# KiCad board FrontEnd_5G.kicad_pcb (continued)
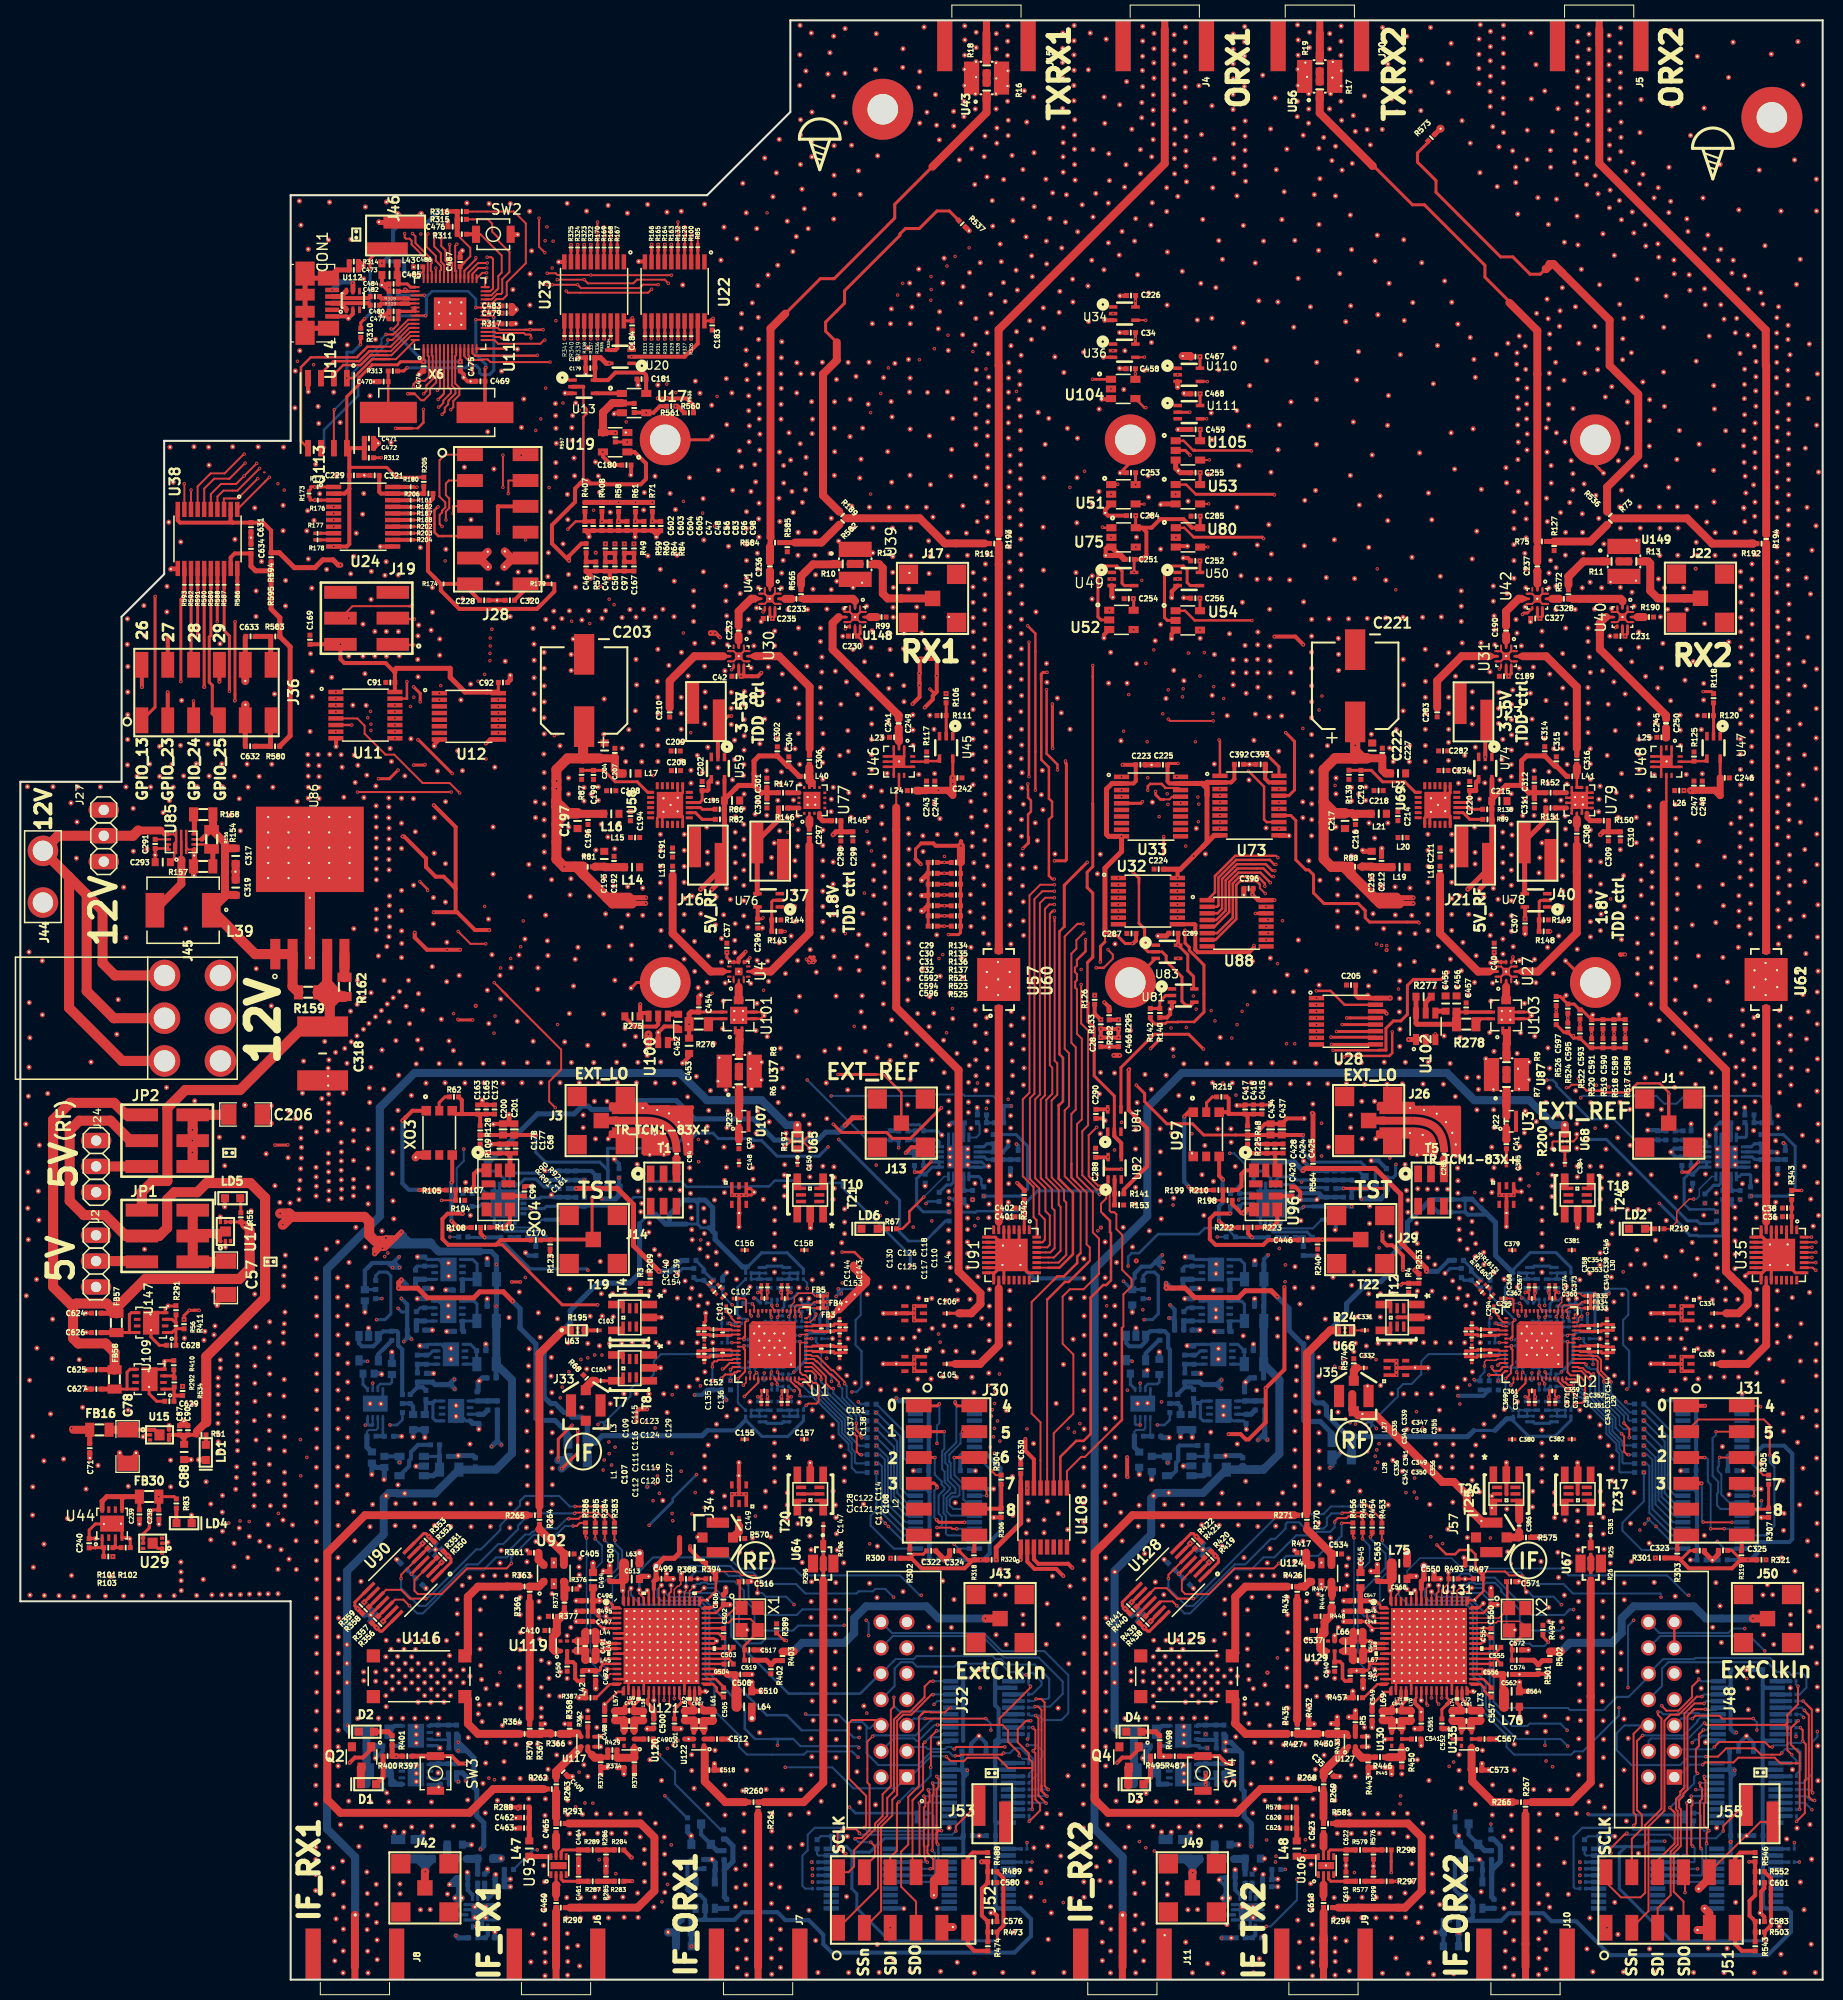
[diagram p0: board, top side]
## Placement (name value [footprint] x y rotation side) (continued)
GND_VIA#193  VAL**  [GND_VIA#3]  129.33 111.16 90 top
GND_VIA#194  VAL**  [GND_VIA#3]  126.08 114.21 90 top
GND_VIA#195  VAL**  [GND_VIA#3]  126.06 115.77 90 top
GND_VIA#196  VAL**  [GND_VIA#3]  126.94 112.43 90 top
GND_VIA#197  VAL**  [GND_VIA#3]  126.94 114.02 90 top
GND_VIA#198  VAL**  [GND_VIA#3]  126.94 115.56 90 top
GND_VIA#199  VAL**  [GND_VIA#3]  126.95 117.07 90 top
GND_VIA#200  VAL**  [GND_VIA#3]  126.94 118.72 90 top
GND_VIA#201  VAL**  [GND_VIA#3]  126.94 120.3 90 top
GND_VIA#202  VAL**  [GND_VIA#3]  132.81 108.27 90 top
GND_VIA#203  VAL**  [GND_VIA#3]  134.02 103.31 90 top
GND_VIA#204  VAL**  [GND_VIA#3]  136.6 107.3 90 top
GND_VIA#205  VAL**  [GND_VIA#3]  136.78 104.6 90 top
GND_VIA#206  VAL**  [GND_VIA#3]  139.38 101.54 90 top
GND_VIA#207  VAL**  [GND_VIA#3]  131.43 103.34 90 top
GND_VIA#208  VAL**  [GND_VIA#3]  131.43 104.92 90 top
GND_VIA#209  VAL**  [GND_VIA#3]  131.43 106.5 90 top
GND_VIA#210  VAL**  [GND_VIA#3]  129.5 106.61 90 top
GND_VIA#211  VAL**  [GND_VIA#3]  129.49 105.03 90 top
GND_VIA#212  VAL**  [GND_VIA#3]  129.49 103.47 90 top
GND_VIA#213  VAL**  [GND_VIA#3]  55.42 117.16 90 top
GND_VIA#214  VAL**  [GND_VIA#3]  56.11 116.52 90 top
GND_VIA#215  VAL**  [GND_VIA#3]  56.81 117.23 90 top
GND_VIA#216  VAL**  [GND_VIA#3]  56.81 115.91 90 top
GND_VIA#217  VAL**  [GND_VIA#3]  55.41 115.84 90 top
GND_VIA#218  VAL**  [GND_VIA#3]  53.91 113.3 90 top
GND_VIA#219  VAL**  [GND_VIA#3]  53.89 111.15 90 top
GND_VIA#220  VAL**  [GND_VIA#3]  51.5 109.28 90 top
GND_VIA#221  VAL**  [GND_VIA#3]  51.5 110.83 90 top
GND_VIA#222  VAL**  [GND_VIA#3]  51.49 112.43 90 top
GND_VIA#223  VAL**  [GND_VIA#3]  51.49 114 90 top
GND_VIA#224  VAL**  [GND_VIA#3]  51.49 115.58 90 top
GND_VIA#225  VAL**  [GND_VIA#3]  51.49 117.14 90 top
GND_VIA#226  VAL**  [GND_VIA#3]  51.49 118.65 90 top
GND_VIA#227  VAL**  [GND_VIA#3]  51.46 120.46 90 top
GND_VIA#228  VAL**  [GND_VIA#3]  53.89 116.53 90 top
GND_VIA#229  VAL**  [GND_VIA#3]  53.89 118.11 90 top
GND_VIA#230  VAL**  [GND_VIA#3]  57.35 122.41 90 top
GND_VIA#231  VAL**  [GND_VIA#3]  62.67 119.73 90 top
GND_VIA#232  VAL**  [GND_VIA#3]  62.67 121.31 90 top
GND_VIA#233  VAL**  [GND_VIA#3]  62.67 122.88 90 top
GND_VIA#234  VAL**  [GND_VIA#3]  62.68 124.46 90 top
GND_VIA#235  VAL**  [GND_VIA#3]  62.68 126.04 90 top
GND_VIA#236  VAL**  [GND_VIA#3]  60.58 127.26 90 top
GND_VIA#237  VAL**  [GND_VIA#3]  57.39 125.88 90 top
GND_VIA#238  VAL**  [GND_VIA#3]  63.22 116.11 90 top
GND_VIA#239  VAL**  [GND_VIA#3]  63.22 114.79 90 top
GND_VIA#240  VAL**  [GND_VIA#3]  63.92 115.46 90 top
GND_VIA#241  VAL**  [GND_VIA#3]  64.61 114.83 90 top
GND_VIA#242  VAL**  [GND_VIA#3]  64.96 119.83 90 top
GND_VIA#243  VAL**  [GND_VIA#3]  65.92 118.87 90 top
GND_VIA#244  VAL**  [GND_VIA#3]  65.93 117.6 90 top
GND_VIA#245  VAL**  [GND_VIA#3]  67.05 118.66 90 top
GND_VIA#246  VAL**  [GND_VIA#3]  68.59 119.13 90 top
GND_VIA#247  VAL**  [GND_VIA#3]  64.96 121.62 90 top
GND_VIA#248  VAL**  [GND_VIA#3]  64.96 122.9 90 top
GND_VIA#249  VAL**  [GND_VIA#3]  64.96 124.46 90 top
GND_VIA#250  VAL**  [GND_VIA#3]  64.96 126.04 90 top
GND_VIA#251  VAL**  [GND_VIA#3]  62.92 112.57 90 top
GND_VIA#252  VAL**  [GND_VIA#3]  62.93 110.99 90 top
GND_VIA#253  VAL**  [GND_VIA#3]  62.93 109.43 90 top
GND_VIA#254  VAL**  [GND_VIA#3]  65.26 109.42 90 top
GND_VIA#255  VAL**  [GND_VIA#3]  65.26 111 90 top
GND_VIA#256  VAL**  [GND_VIA#3]  65.27 112.57 90 top
GND_VIA#257  VAL**  [GND_VIA#3]  68.06 115.97 90 top
GND_VIA#258  VAL**  [GND_VIA#3]  152.84 116.23 90 top
GND_VIA#259  VAL**  [GND_VIA#3]  152.86 115.49 90 top
GND_VIA#260  VAL**  [GND_VIA#3]  148.81 118.84 90 top
GND_VIA#261  VAL**  [GND_VIA#3]  150.16 117.59 90 top
GND_VIA#262  VAL**  [GND_VIA#3]  150.27 118.73 90 top
GND_VIA#263  VAL**  [GND_VIA#3]  149.92 115.9 90 top
GND_VIA#264  VAL**  [GND_VIA#3]  151.44 115.93 90 top
GND_VIA#265  VAL**  [GND_VIA#3]  148.81 114.43 90 top
GND_VIA#266  VAL**  [GND_VIA#3]  129.56 131.84 90 top
GND_VIA#267  VAL**  [GND_VIA#3]  129.59 128.69 90 top
GND_VIA#268  VAL**  [GND_VIA#3]  129.59 130.27 90 top
GND_VIA#269  VAL**  [GND_VIA#3]  143.44 116.04 90 top
GND_VIA#270  VAL**  [GND_VIA#3]  146.58 103.06 90 top
GND_VIA#271  VAL**  [GND_VIA#3]  146.56 104.56 90 top
GND_VIA#272  VAL**  [GND_VIA#3]  146.56 106.06 90 top
GND_VIA#273  VAL**  [GND_VIA#3]  146.56 107.56 90 top
GND_VIA#274  VAL**  [GND_VIA#3]  146.56 109.06 90 top
GND_VIA#275  VAL**  [GND_VIA#3]  146.58 110.56 90 top
GND_VIA#276  VAL**  [GND_VIA#3]  146.64 112.49 90 top
GND_VIA#277  VAL**  [GND_VIA#3]  146.56 113.56 90 top
GND_VIA#278  VAL**  [GND_VIA#3]  146.58 115.06 90 top
GND_VIA#279  VAL**  [GND_VIA#3]  146.56 116.56 90 top
GND_VIA#280  VAL**  [GND_VIA#3]  146.57 118.25 90 top
GND_VIA#281  VAL**  [GND_VIA#3]  147.69 114.41 90 top
GND_VIA#282  VAL**  [GND_VIA#3]  145.74 114.3 90 top
GND_VIA#283  VAL**  [GND_VIA#3]  145.72 112.78 90 top
GND_VIA#284  VAL**  [GND_VIA#3]  145.72 111.3 90 top
GND_VIA#285  VAL**  [GND_VIA#3]  145.74 109.78 90 top
GND_VIA#286  VAL**  [GND_VIA#3]  145.72 108.28 90 top
GND_VIA#287  VAL**  [GND_VIA#3]  145.26 106.19 90 top
GND_VIA#288  VAL**  [GND_VIA#3]  145.72 103.8 90 top
GND_VIA#289  VAL**  [GND_VIA#3]  145.74 102.28 90 top
GND_VIA#290  VAL**  [GND_VIA#3]  146.7 126.75 90 top
GND_VIA#291  VAL**  [GND_VIA#3]  146.59 125.34 90 top
GND_VIA#292  VAL**  [GND_VIA#3]  146.59 123.84 90 top
GND_VIA#293  VAL**  [GND_VIA#3]  146.59 122.34 90 top
GND_VIA#294  VAL**  [GND_VIA#3]  146.59 120.86 90 top
GND_VIA#295  VAL**  [GND_VIA#3]  146.57 119.43 90 top
GND_VIA#296  VAL**  [GND_VIA#3]  145.45 117.93 270 top
GND_VIA#297  VAL**  [GND_VIA#3]  145.65 119.93 270 top
GND_VIA#298  VAL**  [GND_VIA#3]  145.73 121.9 270 top
GND_VIA#299  VAL**  [GND_VIA#3]  170.22 118.2 90 top
GND_VIA#300  VAL**  [GND_VIA#3]  170.21 119.7 90 top
GND_VIA#301  VAL**  [GND_VIA#3]  170.19 121.2 90 top
GND_VIA#302  VAL**  [GND_VIA#3]  170.22 122.7 90 top
GND_VIA#303  VAL**  [GND_VIA#3]  170.21 124.21 90 top
GND_VIA#304  VAL**  [GND_VIA#3]  170.17 116.53 90 top
GND_VIA#305  VAL**  [GND_VIA#3]  160.15 115.31 90 top
GND_VIA#306  VAL**  [GND_VIA#3]  151.96 125.4 90 top
GND_VIA#307  VAL**  [GND_VIA#3]  151.62 126.95 90 top
GND_VIA#308  VAL**  [GND_VIA#3]  169.05 115.78 90 top
GND_VIA#309  VAL**  [GND_VIA#3]  169.09 123.46 90 top
GND_VIA#310  VAL**  [GND_VIA#3]  169.09 121.95 90 top
GND_VIA#311  VAL**  [GND_VIA#3]  169.08 120.45 90 top
GND_VIA#312  VAL**  [GND_VIA#3]  169.09 118.95 90 top
GND_VIA#313  VAL**  [GND_VIA#3]  169.09 117.45 90 top
GND_VIA#314  VAL**  [GND_VIA#3]  169.11 126.34 90 top
GND_VIA#315  VAL**  [GND_VIA#3]  169.09 124.84 90 top
GND_VIA#316  VAL**  [GND_VIA#3]  154.25 130 90 top
GND_VIA#317  VAL**  [GND_VIA#3]  155.53 128.66 90 top
GND_VIA#318  VAL**  [GND_VIA#3]  156.65 127.56 90 top
GND_VIA#319  VAL**  [GND_VIA#3]  157.75 126.37 90 top
GND_VIA#320  VAL**  [GND_VIA#3]  163.77 118.46 90 top
GND_VIA#321  VAL**  [GND_VIA#3]  165.34 118.53 90 top
GND_VIA#322  VAL**  [GND_VIA#3]  158.41 129.53 90 top
GND_VIA#323  VAL**  [GND_VIA#3]  157.3 130.73 90 top
GND_VIA#324  VAL**  [GND_VIA#3]  159.77 128.09 90 top
GND_VIA#325  VAL**  [GND_VIA#3]  152.75 129.08 90 top
GND_VIA#326  VAL**  [GND_VIA#3]  151.62 130.34 90 top
GND_VIA#327  VAL**  [GND_VIA#3]  150.34 128.32 90 top
GND_VIA#328  VAL**  [GND_VIA#3]  148.73 129.01 90 top
GND_VIA#329  VAL**  [GND_VIA#3]  160.22 122.08 90 top
GND_VIA#330  VAL**  [GND_VIA#3]  165.25 122.87 90 top
GND_VIA#331  VAL**  [GND_VIA#3]  149.98 125.73 90 top
GND_VIA#332  VAL**  [GND_VIA#3]  140.41 130.42 90 top
GND_VIA#333  VAL**  [GND_VIA#3]  141.74 131.39 90 top
GND_VIA#334  VAL**  [GND_VIA#3]  143.59 131.4 90 top
GND_VIA#335  VAL**  [GND_VIA#3]  141.08 128.11 90 top
GND_VIA#336  VAL**  [GND_VIA#3]  142.74 129.06 90 top
GND_VIA#337  VAL**  [GND_VIA#3]  136.53 119.71 90 top
GND_VIA#338  VAL**  [GND_VIA#3]  134.96 119.72 90 top
GND_VIA#339  VAL**  [GND_VIA#3]  134.6 121.06 90 top
GND_VIA#340  VAL**  [GND_VIA#3]  135.27 122.86 90 top
GND_VIA#341  VAL**  [GND_VIA#3]  164.86 124.25 90 top
GND_VIA#342  VAL**  [GND_VIA#3]  159.09 132.46 90 top
GND_VIA#343  VAL**  [GND_VIA#3]  159.09 130.96 90 top
GND_VIA#344  VAL**  [GND_VIA#3]  159.12 124.93 90 top
GND_VIA#345  VAL**  [GND_VIA#3]  159.12 123.42 90 top
GND_VIA#346  VAL**  [GND_VIA#3]  159.11 121.92 90 top
GND_VIA#347  VAL**  [GND_VIA#3]  159.12 120.42 90 top
GND_VIA#348  VAL**  [GND_VIA#3]  159.12 118.92 90 top
GND_VIA#349  VAL**  [GND_VIA#3]  170.22 125.59 90 top
GND_VIA#350  VAL**  [GND_VIA#3]  170.22 127.09 90 top
GND_VIA#351  VAL**  [GND_VIA#3]  163.19 121.31 90 top
GND_VIA#352  VAL**  [GND_VIA#3]  163.18 122.81 90 top
GND_VIA#353  VAL**  [GND_VIA#3]  163.17 124.31 90 top
GND_VIA#354  VAL**  [GND_VIA#3]  160.97 126.97 90 top
GND_VIA#355  VAL**  [GND_VIA#3]  162.22 125.71 90 top
GND_VIA#356  VAL**  [GND_VIA#3]  145.75 100.81 90 top
GND_VIA#357  VAL**  [GND_VIA#3]  146.75 101.53 90 top
GND_VIA#358  VAL**  [GND_VIA#3]  149.56 131.11 90 top
GND_VIA#359  VAL**  [GND_VIA#3]  147.56 131.09 90 top
GND_VIA#360  VAL**  [GND_VIA#3]  147.34 128.92 90 top
GND_VIA#361  VAL**  [GND_VIA#3]  152.03 117.52 90 top
GND_VIA#362  VAL**  [GND_VIA#3]  155.15 114.8 90 top
GND_VIA#363  VAL**  [GND_VIA#3]  155.18 116.02 90 top
GND_VIA#364  VAL**  [GND_VIA#3]  155.28 117.31 90 top
GND_VIA#365  VAL**  [GND_VIA#3]  150.14 112.91 90 top
GND_VIA#366  VAL**  [GND_VIA#3]  147.91 115.87 90 top
GND_VIA#367  VAL**  [GND_VIA#3]  147.93 134.93 90 top
GND_VIA#368  VAL**  [GND_VIA#3]  147.03 133.69 90 top
GND_VIA#369  VAL**  [GND_VIA#3]  144.94 131.21 90 top
GND_VIA#370  VAL**  [GND_VIA#3]  144.93 132.68 90 top
GND_VIA#371  VAL**  [GND_VIA#3]  144.88 134.05 90 top
GND_VIA#372  VAL**  [GND_VIA#3]  133.84 111.2 90 top
GND_VIA#373  VAL**  [GND_VIA#3]  131.24 112.87 90 top
GND_VIA#374  VAL**  [GND_VIA#3]  131.94 111 90 top
GND_VIA#375  VAL**  [GND_VIA#3]  134.43 113.69 90 top
GND_VIA#376  VAL**  [GND_VIA#3]  132.58 113.69 90 top
GND_VIA#377  VAL**  [GND_VIA#3]  130.87 110.46 90 top
GND_VIA#378  VAL**  [GND_VIA#3]  133.77 107.48 90 top
GND_VIA#379  VAL**  [GND_VIA#3]  135.14 107.41 90 top
GND_VIA#380  VAL**  [GND_VIA#3]  135.17 104.65 90 top
GND_VIA#381  VAL**  [GND_VIA#3]  132.97 104.77 90 top
GND_VIA#382  VAL**  [GND_VIA#3]  129.5 108.18 90 top
GND_VIA#383  VAL**  [GND_VIA#3]  127.75 108.06 90 top
GND_VIA#384  VAL**  [GND_VIA#3]  128.49 121.28 90 top
GND_VIA#385  VAL**  [GND_VIA#3]  143.03 121.14 90 top
GND_VIA#386  VAL**  [GND_VIA#3]  144 119.12 90 top
GND_VIA#387  VAL**  [GND_VIA#3]  152.06 119.45 90 top
GND_VIA#388  VAL**  [GND_VIA#3]  165.3 115.65 90 top
GND_VIA#389  VAL**  [GND_VIA#3]  162.68 115.51 90 top
GND_VIA#390  VAL**  [GND_VIA#3]  156.78 122.77 90 top
GND_VIA#391  VAL**  [GND_VIA#3]  157.41 118.55 90 top
GND_VIA#392  VAL**  [GND_VIA#3]  156 120.33 90 top
GND_VIA#393  VAL**  [GND_VIA#3]  156.09 125.36 90 top
GND_VIA#394  VAL**  [GND_VIA#3]  156.89 116.68 90 top
GND_VIA#395  VAL**  [GND_VIA#3]  158.4 116.31 90 top
GND_VIA#396  VAL**  [GND_VIA#3]  156.42 134.77 90 top
GND_VIA#397  VAL**  [GND_VIA#3]  157.5 133.95 90 top
GND_VIA#398  VAL**  [GND_VIA#3]  154.74 134.72 90 top
GND_VIA#399  VAL**  [GND_VIA#3]  155.44 136.81 90 top
GND_VIA#400  VAL**  [GND_VIA#3]  153.53 136.81 90 top
GND_VIA#401  VAL**  [GND_VIA#3]  150.95 136.96 90 top
GND_VIA#402  VAL**  [GND_VIA#3]  158.62 134.99 90 top
GND_VIA#403  VAL**  [GND_VIA#3]  150.25 136.79 90 top
GND_VIA#404  VAL**  [GND_VIA#3]  149.12 135.73 90 top
GND_VIA#405  VAL**  [GND_VIA#3]  146.15 136.25 90 top
GND_VIA#406  VAL**  [GND_VIA#3]  147.99 136.81 90 top
GND_VIA#407  VAL**  [GND_VIA#3]  147.9 140.19 90 top
GND_VIA#408  VAL**  [GND_VIA#3]  150.27 138.26 90 top
GND_VIA#409  VAL**  [GND_VIA#3]  148.03 141.71 90 top
GND_VIA#410  VAL**  [GND_VIA#3]  148.03 143.57 90 top
GND_VIA#411  VAL**  [GND_VIA#3]  150.11 143.31 90 top
GND_VIA#412  VAL**  [GND_VIA#3]  148.06 145.12 90 top
GND_VIA#413  VAL**  [GND_VIA#3]  170.49 143.83 90 top
GND_VIA#414  VAL**  [GND_VIA#3]  151.88 140.01 90 top
GND_VIA#415  VAL**  [GND_VIA#3]  153.62 140.22 90 top
GND_VIA#416  VAL**  [GND_VIA#3]  161.16 139.98 90 top
GND_VIA#417  VAL**  [GND_VIA#3]  170.53 140.07 90 top
GND_VIA#418  VAL**  [GND_VIA#3]  168.54 140 90 top
GND_VIA#419  VAL**  [GND_VIA#3]  166.59 139.99 90 top
GND_VIA#420  VAL**  [GND_VIA#3]  164.82 139.99 90 top
GND_VIA#421  VAL**  [GND_VIA#3]  162.93 140 90 top
GND_VIA#422  VAL**  [GND_VIA#3]  165.78 143.26 90 top
GND_VIA#423  VAL**  [GND_VIA#3]  168.56 142.24 90 top
GND_VIA#424  VAL**  [GND_VIA#3]  170.55 142.31 90 top
GND_VIA#425  VAL**  [GND_VIA#3]  140.36 188.33 90 top
GND_VIA#426  VAL**  [GND_VIA#3]  153.57 142.25 90 top
GND_VIA#427  VAL**  [GND_VIA#3]  151.9 142.25 90 top
GND_VIA#428  VAL**  [GND_VIA#3]  151.41 144.2 90 top
GND_VIA#429  VAL**  [GND_VIA#3]  152.31 145.19 90 top
GND_VIA#430  VAL**  [GND_VIA#3]  152.61 146.43 90 top
GND_VIA#431  VAL**  [GND_VIA#3]  152.62 148.02 90 top
GND_VIA#432  VAL**  [GND_VIA#3]  152.45 149.3 90 top
GND_VIA#433  VAL**  [GND_VIA#3]  151.84 151.14 90 top
GND_VIA#434  VAL**  [GND_VIA#3]  151 152.04 90 top
GND_VIA#435  VAL**  [GND_VIA#3]  150.01 152.53 90 top
GND_VIA#436  VAL**  [GND_VIA#3]  148.07 153.41 90 top
GND_VIA#437  VAL**  [GND_VIA#3]  148.13 151.92 90 top
GND_VIA#438  VAL**  [GND_VIA#3]  148.11 150.35 90 top
GND_VIA#439  VAL**  [GND_VIA#3]  148.07 154.87 90 top
GND_VIA#440  VAL**  [GND_VIA#3]  148.09 156.44 90 top
GND_VIA#441  VAL**  [GND_VIA#3]  147.98 158.27 90 top
GND_VIA#442  VAL**  [GND_VIA#3]  150.31 157.9 90 top
GND_VIA#443  VAL**  [GND_VIA#3]  150.24 156.41 90 top
GND_VIA#444  VAL**  [GND_VIA#3]  150.22 154.84 90 top
GND_VIA#445  VAL**  [GND_VIA#3]  150.22 153.38 90 top
GND_VIA#446  VAL**  [GND_VIA#3]  150.03 145.61 90 top
GND_VIA#447  VAL**  [GND_VIA#3]  150.48 148.82 90 top
GND_VIA#448  VAL**  [GND_VIA#3]  150.08 150.14 90 top
GND_VIA#449  VAL**  [GND_VIA#3]  150.49 147.1 90 top
GND_VIA#450  VAL**  [GND_VIA#3]  146.1 147.12 90 top
GND_VIA#451  VAL**  [GND_VIA#3]  146.04 148.61 90 top
GND_VIA#452  VAL**  [GND_VIA#3]  147.26 146.26 90 top
GND_VIA#453  VAL**  [GND_VIA#3]  147.21 149.41 90 top
GND_VIA#454  VAL**  [GND_VIA#3]  152.84 134.68 90 top
GND_VIA#455  VAL**  [GND_VIA#3]  157.28 136.85 90 top
GND_VIA#456  VAL**  [GND_VIA#3]  160.75 123.59 90 top
GND_VIA#457  VAL**  [GND_VIA#3]  160.62 118.42 90 top
GND_VIA#458  VAL**  [GND_VIA#3]  161.83 119.74 90 top
GND_VIA#459  VAL**  [GND_VIA#3]  146.06 130.09 90 top
GND_VIA#460  VAL**  [GND_VIA#3]  142.38 104.71 90 top
GND_VIA#461  VAL**  [GND_VIA#3]  144.58 104.67 90 top
GND_VIA#462  VAL**  [GND_VIA#3]  147.92 102.8 90 top
GND_VIA#463  VAL**  [GND_VIA#3]  144.49 102.64 90 top
GND_VIA#464  VAL**  [GND_VIA#3]  146.06 99.09 90 top
GND_VIA#465  VAL**  [GND_VIA#3]  170.43 97.53 90 top
GND_VIA#466  VAL**  [GND_VIA#3]  170.47 99.21 90 top
GND_VIA#467  VAL**  [GND_VIA#3]  171.56 99.93 90 top
GND_VIA#468  VAL**  [GND_VIA#3]  171.56 98.31 90 top
GND_VIA#469  VAL**  [GND_VIA#3]  172.71 97.56 90 top
GND_VIA#470  VAL**  [GND_VIA#3]  171.56 96.78 90 top
GND_VIA#471  VAL**  [GND_VIA#3]  172.69 99.22 90 top
GND_VIA#472  VAL**  [GND_VIA#3]  132.81 122.41 90 top
GND_VIA#473  VAL**  [GND_VIA#3]  148.85 100.28 90 top
GND_VIA#474  VAL**  [GND_VIA#3]  147.37 100.17 90 top
GND_VIA#475  VAL**  [GND_VIA#3]  147.14 97.98 90 top
GND_VIA#476  VAL**  [GND_VIA#3]  148.98 97.99 90 top
GND_VIA#477  VAL**  [GND_VIA#3]  150.69 98.91 90 top
GND_VIA#478  VAL**  [GND_VIA#3]  151.9 100.14 90 top
GND_VIA#479  VAL**  [GND_VIA#3]  153.05 101.28 90 top
GND_VIA#480  VAL**  [GND_VIA#3]  144.74 97.96 90 top
GND_VIA#481  VAL**  [GND_VIA#3]  144.55 99.94 90 top
GND_VIA#482  VAL**  [GND_VIA#3]  140.14 97.53 90 top
GND_VIA#483  VAL**  [GND_VIA#3]  141.19 97.53 90 top
GND_VIA#484  VAL**  [GND_VIA#3]  142.3 96.75 90 top
GND_VIA#485  VAL**  [GND_VIA#3]  145.63 95.2 90 top
GND_VIA#486  VAL**  [GND_VIA#3]  146.47 95.21 90 top
GND_VIA#487  VAL**  [GND_VIA#3]  146.47 94.36 90 top
GND_VIA#488  VAL**  [GND_VIA#3]  145.62 94.35 90 top
GND_VIA#489  VAL**  [GND_VIA#3]  147.86 95.96 90 top
GND_VIA#490  VAL**  [GND_VIA#3]  147.48 93.07 90 top
GND_VIA#491  VAL**  [GND_VIA#3]  144.55 96.19 90 top
GND_VIA#492  VAL**  [GND_VIA#3]  144.44 93.1 90 top
GND_VIA#493  VAL**  [GND_VIA#3]  149.58 132.54 90 top
GND_VIA#494  VAL**  [GND_VIA#3]  138.14 92.68 90 top
GND_VIA#495  VAL**  [GND_VIA#3]  155.35 109.86 90 top
GND_VIA#496  VAL**  [GND_VIA#3]  148.56 94.77 90 top
GND_VIA#497  VAL**  [GND_VIA#3]  172.74 120.65 90 top
GND_VIA#498  VAL**  [GND_VIA#3]  172.75 122.15 90 top
GND_VIA#499  VAL**  [GND_VIA#3]  172.74 113.25 90 top
GND_VIA#500  VAL**  [GND_VIA#3]  172.72 114.75 90 top
GND_VIA#501  VAL**  [GND_VIA#3]  172.72 116.25 90 top
GND_VIA#502  VAL**  [GND_VIA#3]  172.74 117.75 90 top
GND_VIA#503  VAL**  [GND_VIA#3]  172.72 119.25 90 top
GND_VIA#504  VAL**  [GND_VIA#3]  172.69 111.58 90 top
GND_VIA#505  VAL**  [GND_VIA#3]  173.81 112.33 90 top
GND_VIA#506  VAL**  [GND_VIA#3]  173.84 120 90 top
GND_VIA#507  VAL**  [GND_VIA#3]  173.86 118.5 90 top
GND_VIA#508  VAL**  [GND_VIA#3]  173.84 117 90 top
GND_VIA#509  VAL**  [GND_VIA#3]  173.84 115.5 90 top
GND_VIA#510  VAL**  [GND_VIA#3]  173.86 114 90 top
GND_VIA#511  VAL**  [GND_VIA#3]  173.87 122.9 90 top
GND_VIA#512  VAL**  [GND_VIA#3]  173.86 121.4 90 top
GND_VIA#513  VAL**  [GND_VIA#3]  166.25 89.16 90 top
GND_VIA#514  VAL**  [GND_VIA#3]  156.26 132.05 90 top
GND_VIA#515  VAL**  [GND_VIA#3]  161.22 133.95 90 top
GND_VIA#516  VAL**  [GND_VIA#3]  146.83 137.74 90 top
GND_VIA#517  VAL**  [GND_VIA#3]  169.06 112.74 90 top
GND_VIA#518  VAL**  [GND_VIA#3]  169.06 114.24 90 top
GND_VIA#519  VAL**  [GND_VIA#3]  169.31 93.81 90 top
GND_VIA#520  VAL**  [GND_VIA#3]  169.31 95.31 90 top
GND_VIA#521  VAL**  [GND_VIA#3]  169.03 108.34 90 top
GND_VIA#522  VAL**  [GND_VIA#3]  169.06 109.84 90 top
GND_VIA#523  VAL**  [GND_VIA#3]  169.05 111.34 90 top
GND_VIA#524  VAL**  [GND_VIA#3]  169.27 92.14 90 top
GND_VIA#525  VAL**  [GND_VIA#3]  170.39 92.89 90 top
GND_VIA#526  VAL**  [GND_VIA#3]  170.17 112.09 90 top
GND_VIA#527  VAL**  [GND_VIA#3]  170.18 110.59 90 top
GND_VIA#528  VAL**  [GND_VIA#3]  170.16 109.09 90 top
GND_VIA#529  VAL**  [GND_VIA#3]  170.17 107.59 90 top
GND_VIA#530  VAL**  [GND_VIA#3]  170.44 94.56 90 top
GND_VIA#531  VAL**  [GND_VIA#3]  170.19 114.99 90 top
GND_VIA#532  VAL**  [GND_VIA#3]  170.18 113.49 90 top
GND_VIA#533  VAL**  [GND_VIA#3]  173.94 107.56 90 top
GND_VIA#534  VAL**  [GND_VIA#3]  173.93 109.06 90 top
GND_VIA#535  VAL**  [GND_VIA#3]  173.92 110.56 90 top
GND_VIA#536  VAL**  [GND_VIA#3]  173.89 105.89 90 top
GND_VIA#537  VAL**  [GND_VIA#3]  172.77 105.14 90 top
GND_VIA#538  VAL**  [GND_VIA#3]  172.8 109.81 90 top
GND_VIA#539  VAL**  [GND_VIA#3]  172.81 108.31 90 top
GND_VIA#540  VAL**  [GND_VIA#3]  172.81 106.81 90 top
GND_VIA#541  VAL**  [GND_VIA#3]  170.5 89.66 90 top
GND_VIA#542  VAL**  [GND_VIA#3]  170.44 87.99 90 top
GND_VIA#543  VAL**  [GND_VIA#3]  169.46 87.43 90 top
GND_VIA#544  VAL**  [GND_VIA#3]  169.37 90.41 90 top
GND_VIA#545  VAL**  [GND_VIA#3]  169.38 88.91 90 top
GND_VIA#546  VAL**  [GND_VIA#3]  170.43 91.41 90 top
GND_VIA#547  VAL**  [GND_VIA#3]  170.06 102.78 90 top
GND_VIA#548  VAL**  [GND_VIA#3]  170.05 104.28 90 top
GND_VIA#549  VAL**  [GND_VIA#3]  170.06 105.78 90 top
GND_VIA#550  VAL**  [GND_VIA#3]  168.94 106.55 90 top
GND_VIA#551  VAL**  [GND_VIA#3]  168.94 105.03 90 top
GND_VIA#552  VAL**  [GND_VIA#3]  168.93 103.53 90 top
GND_VIA#553  VAL**  [GND_VIA#3]  172.88 103.46 90 top
GND_VIA#554  VAL**  [GND_VIA#3]  160.12 113.61 90 top
GND_VIA#555  VAL**  [GND_VIA#3]  172.83 101.78 90 top
GND_VIA#556  VAL**  [GND_VIA#3]  173.94 102.53 90 top
GND_VIA#557  VAL**  [GND_VIA#3]  174 104.21 90 top
GND_VIA#558  VAL**  [GND_VIA#3]  168.89 101.47 90 top
GND_VIA#559  VAL**  [GND_VIA#3]  174.03 91.36 90 top
GND_VIA#560  VAL**  [GND_VIA#3]  172.99 88.86 90 top
GND_VIA#561  VAL**  [GND_VIA#3]  172.97 90.36 90 top
GND_VIA#562  VAL**  [GND_VIA#3]  172.94 87.19 90 top
GND_VIA#563  VAL**  [GND_VIA#3]  174.06 87.94 90 top
GND_VIA#564  VAL**  [GND_VIA#3]  174.11 89.61 90 top
GND_VIA#565  VAL**  [GND_VIA#3]  174.05 94.5 90 top
GND_VIA#566  VAL**  [GND_VIA#3]  174 92.84 90 top
GND_VIA#567  VAL**  [GND_VIA#3]  172.88 92.09 90 top
GND_VIA#568  VAL**  [GND_VIA#3]  172.92 95.25 90 top
GND_VIA#569  VAL**  [GND_VIA#3]  172.93 93.75 90 top
GND_VIA#570  VAL**  [GND_VIA#3]  170.53 86.3 90 top
GND_VIA#571  VAL**  [GND_VIA#3]  168.65 88.2 90 top
GND_VIA#572  VAL**  [GND_VIA#3]  168.64 89.7 90 top
GND_VIA#573  VAL**  [GND_VIA#3]  168.6 86.3 90 top
GND_VIA#574  VAL**  [GND_VIA#3]  166.71 86.3 90 top
GND_VIA#575  VAL**  [GND_VIA#3]  167.51 91 90 top
GND_VIA#576  VAL**  [GND_VIA#3]  166.65 87.69 90 top
GND_VIA#577  VAL**  [GND_VIA#3]  169.5 85.73 90 top
GND_VIA#578  VAL**  [GND_VIA#3]  166.14 92.43 90 top
GND_VIA#579  VAL**  [GND_VIA#3]  164.74 93.71 90 top
GND_VIA#580  VAL**  [GND_VIA#3]  163.66 94.99 90 top
GND_VIA#581  VAL**  [GND_VIA#3]  162.67 96.28 90 top
GND_VIA#582  VAL**  [GND_VIA#3]  161.1 94.29 90 top
GND_VIA#583  VAL**  [GND_VIA#3]  162.5 93.01 90 top
GND_VIA#584  VAL**  [GND_VIA#3]  165.07 90.37 90 top
GND_VIA#585  VAL**  [GND_VIA#3]  163.67 91.65 90 top
GND_VIA#586  VAL**  [GND_VIA#3]  162.72 98.34 90 top
GND_VIA#587  VAL**  [GND_VIA#3]  162.75 100.41 90 top
GND_VIA#588  VAL**  [GND_VIA#3]  162.78 101.91 90 top
GND_VIA#589  VAL**  [GND_VIA#3]  162.77 103.42 90 top
GND_VIA#590  VAL**  [GND_VIA#3]  162.88 108.22 90 top
GND_VIA#591  VAL**  [GND_VIA#3]  162.89 106.71 90 top
GND_VIA#592  VAL**  [GND_VIA#3]  162.87 105.21 90 top
GND_VIA#593  VAL**  [GND_VIA#3]  160.43 102.77 90 top
GND_VIA#594  VAL**  [GND_VIA#3]  160.44 104.27 90 top
GND_VIA#595  VAL**  [GND_VIA#3]  160.44 105.78 90 top
GND_VIA#596  VAL**  [GND_VIA#3]  160.33 100.98 90 top
GND_VIA#597  VAL**  [GND_VIA#3]  160.34 99.47 90 top
GND_VIA#598  VAL**  [GND_VIA#3]  160.31 97.97 90 top
GND_VIA#599  VAL**  [GND_VIA#3]  160.28 95.9 90 top
GND_VIA#600  VAL**  [GND_VIA#3]  162.77 109.62 90 top
GND_VIA#601  VAL**  [GND_VIA#3]  162.81 110.97 90 top
GND_VIA#602  VAL**  [GND_VIA#3]  162.78 112.62 90 top
GND_VIA#603  VAL**  [GND_VIA#3]  160.4 110.39 90 top
GND_VIA#604  VAL**  [GND_VIA#3]  160.41 108.88 90 top
GND_VIA#605  VAL**  [GND_VIA#3]  160.39 107.38 90 top
GND_VIA#606  VAL**  [GND_VIA#3]  160.38 112.1 90 top
GND_VIA#607  VAL**  [GND_VIA#3]  162.72 114.12 90 top
GND_VIA#608  VAL**  [GND_VIA#3]  169.12 133.88 90 top
GND_VIA#609  VAL**  [GND_VIA#3]  169.14 135.38 90 top
GND_VIA#610  VAL**  [GND_VIA#3]  169.12 127.98 90 top
GND_VIA#611  VAL**  [GND_VIA#3]  169.11 129.48 90 top
GND_VIA#612  VAL**  [GND_VIA#3]  169.12 130.98 90 top
GND_VIA#613  VAL**  [GND_VIA#3]  169.12 132.49 90 top
GND_VIA#614  VAL**  [GND_VIA#3]  170.24 133.24 90 top
GND_VIA#615  VAL**  [GND_VIA#3]  170.25 131.73 90 top
GND_VIA#616  VAL**  [GND_VIA#3]  170.22 130.23 90 top
GND_VIA#617  VAL**  [GND_VIA#3]  170.24 128.73 90 top
GND_VIA#618  VAL**  [GND_VIA#3]  170.25 136.12 90 top
GND_VIA#619  VAL**  [GND_VIA#3]  170.25 134.62 90 top
GND_VIA#620  VAL**  [GND_VIA#3]  173.86 133.71 90 top
GND_VIA#621  VAL**  [GND_VIA#3]  173.87 135.21 90 top
GND_VIA#622  VAL**  [GND_VIA#3]  173.86 126.31 90 top
GND_VIA#623  VAL**  [GND_VIA#3]  173.84 127.81 90 top
GND_VIA#624  VAL**  [GND_VIA#3]  173.84 129.31 90 top
GND_VIA#625  VAL**  [GND_VIA#3]  173.86 130.81 90 top
GND_VIA#626  VAL**  [GND_VIA#3]  173.84 132.31 90 top
GND_VIA#627  VAL**  [GND_VIA#3]  173.81 124.64 90 top
GND_VIA#628  VAL**  [GND_VIA#3]  172.69 123.89 90 top
GND_VIA#629  VAL**  [GND_VIA#3]  172.72 131.56 90 top
GND_VIA#630  VAL**  [GND_VIA#3]  172.74 130.06 90 top
GND_VIA#631  VAL**  [GND_VIA#3]  172.72 128.56 90 top
GND_VIA#632  VAL**  [GND_VIA#3]  172.72 127.06 90 top
GND_VIA#633  VAL**  [GND_VIA#3]  172.74 125.56 90 top
GND_VIA#634  VAL**  [GND_VIA#3]  172.75 134.46 90 top
GND_VIA#635  VAL**  [GND_VIA#3]  172.74 132.96 90 top
GND_VIA#636  VAL**  [GND_VIA#3]  172.69 142.23 90 top
GND_VIA#637  VAL**  [GND_VIA#3]  172.69 143.73 90 top
GND_VIA#638  VAL**  [GND_VIA#3]  172.68 136.32 90 top
GND_VIA#639  VAL**  [GND_VIA#3]  172.67 137.82 90 top
GND_VIA#640  VAL**  [GND_VIA#3]  172.69 139.32 90 top
GND_VIA#641  VAL**  [GND_VIA#3]  172.68 140.84 90 top
GND_VIA#642  VAL**  [GND_VIA#3]  173.8 141.59 90 top
GND_VIA#643  VAL**  [GND_VIA#3]  173.81 140.07 90 top
GND_VIA#644  VAL**  [GND_VIA#3]  173.78 138.57 90 top
GND_VIA#645  VAL**  [GND_VIA#3]  173.8 137.07 90 top
GND_VIA#646  VAL**  [GND_VIA#3]  173.81 144.48 90 top
GND_VIA#647  VAL**  [GND_VIA#3]  173.81 142.98 90 top
GND_VIA#648  VAL**  [GND_VIA#3]  170.22 137.65 90 top
GND_VIA#649  VAL**  [GND_VIA#3]  170.22 139.15 90 top
GND_VIA#650  VAL**  [GND_VIA#3]  169.11 138.4 90 top
GND_VIA#651  VAL**  [GND_VIA#3]  169.09 136.9 90 top
GND_VIA#652  VAL**  [GND_VIA#3]  151.74 157.2 90 top
GND_VIA#653  VAL**  [GND_VIA#3]  150.92 158.96 90 top
GND_VIA#654  VAL**  [GND_VIA#3]  141.66 99.17 90 top
GND_VIA#655  VAL**  [GND_VIA#3]  142.95 98.02 90 top
GND_VIA#656  VAL**  [GND_VIA#3]  143.11 100.64 90 top
GND_VIA#657  VAL**  [GND_VIA#3]  141.81 101.95 90 top